# Altium PCB uZed_breakout.PcbDoc (part 3 of 5) (continued)
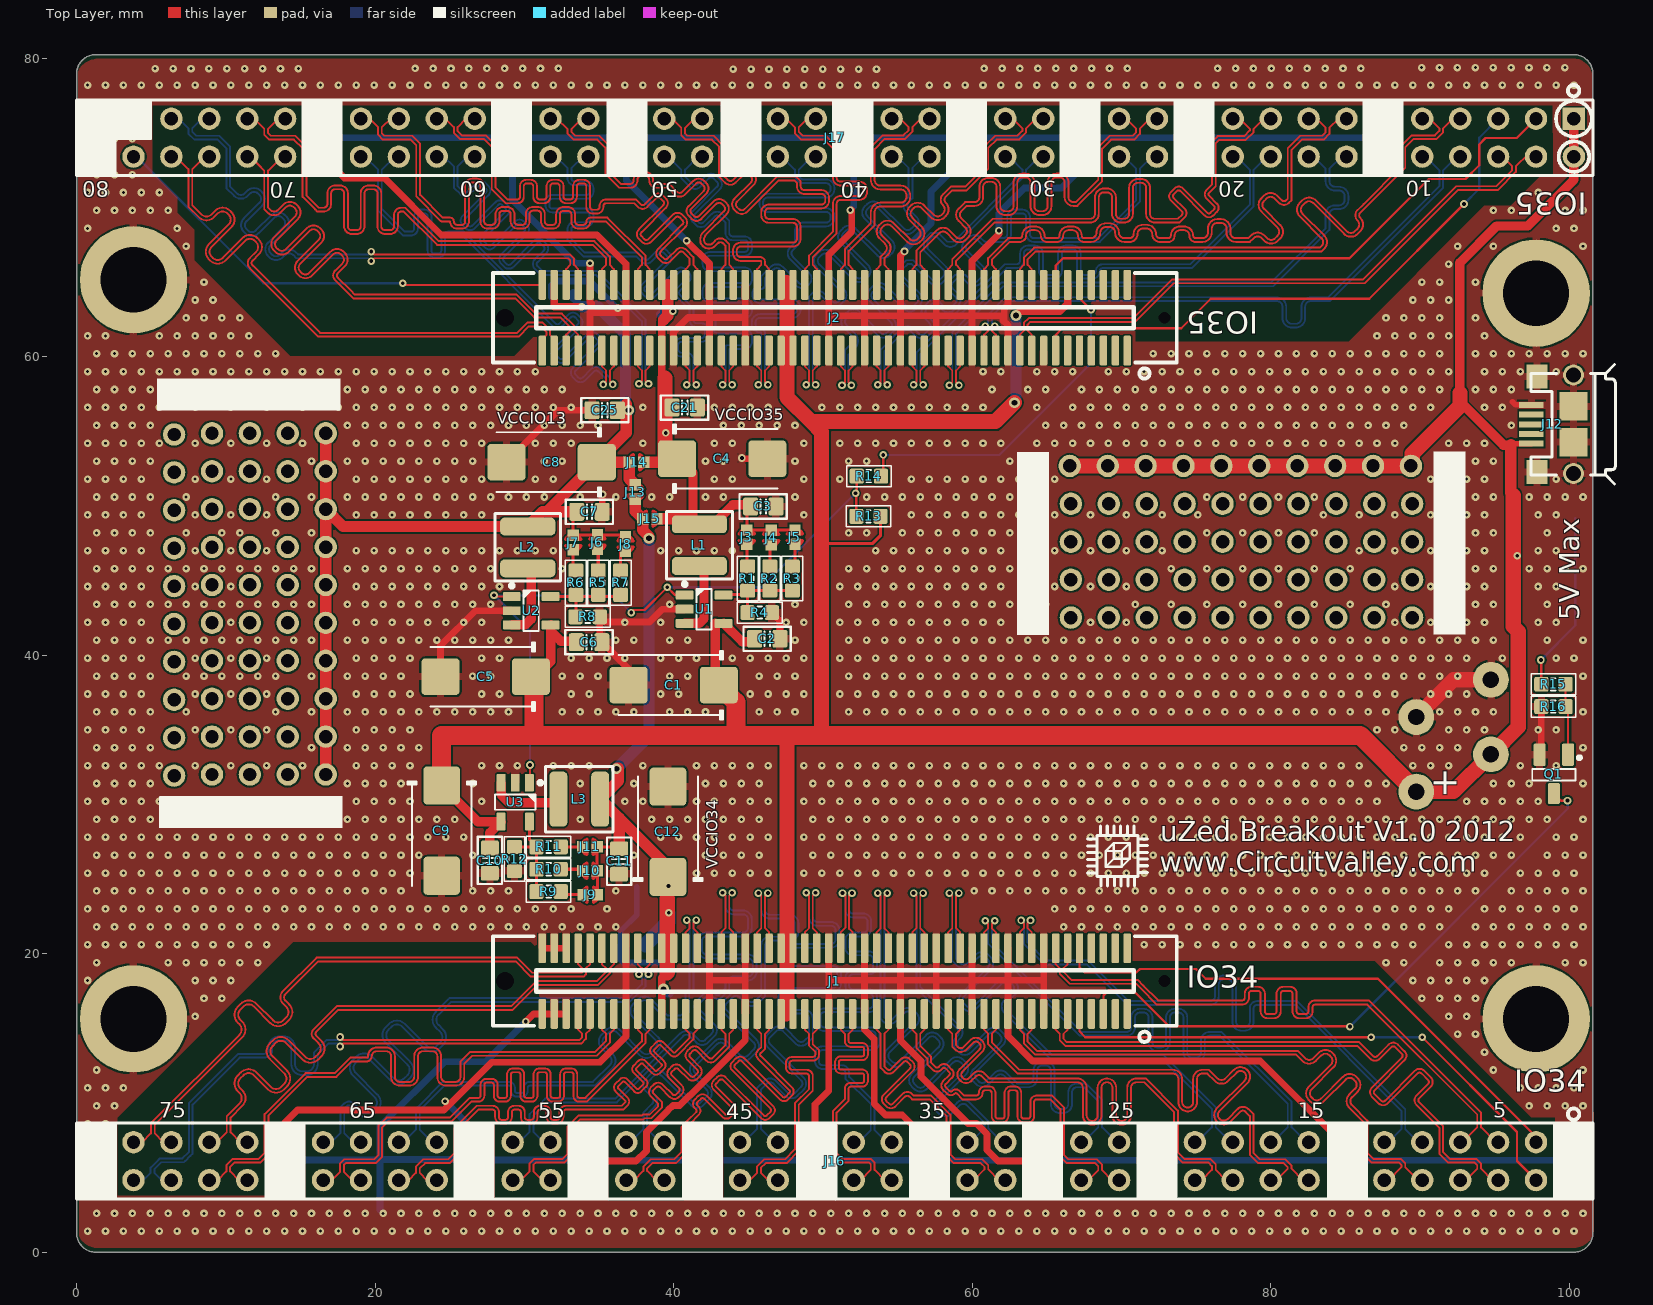
[diagram p0: Top Layer view]
## Nets (pads, with @x,y where several pads share a name; then routed paths per layer and width w, separated by ;. In a path a pad name is that pad's centre, name@x,y a point inside that pad or via, vN(x,y) a via of type N, cw(c..) or ccw(c..) an arc to the next point about the centre after c; other vN are vias at no path point) (continued)
L11_T1_13_N: J1.89 J16.74 | length 41.6
  Top Layer w0.127: J16.74@8.89,4.826 9.449,4.826 10.033,5.41 10.033,5.82 10.436,6.223 10.461,6.248 12.192,6.248 12.598,6.655 12.598,9.249 15.338,11.989 17.297,11.989 18.136,12.827 18.339,13.03 19.426,13.03 ccw(c19.426,13.124) 19.52,13.124 cw(c20.112,13.124) 20.112,13.716 20.731,13.716 cw(c20.731,13.124) 21.323,13.124 21.323,11.742 ccw(c21.661,11.742) 21.661,11.405 22.281,11.405 ccw(c22.281,11.742) 22.619,11.742 22.619,13.124 cw(c23.211,13.124) 23.211,13.716 23.83,13.716 cw(c23.83,13.124) 24.422,13.124 24.422,11.742 ccw(c24.76,11.742) 24.76,11.405 25.38,11.405 ccw(c25.38,11.742) 25.717,11.742 25.717,12.742 26.387,13.411 34.736,13.411 35.473,14.148 35.473,14.624 35.2,14.897 J1.89@35.2,15.961
L11_T1_13_P: J1.87 J16.72 | length 41.5
  Top Layer w0.127: J16.72@11.43,4.826 10.871,4.826 10.287,5.41 10.287,5.715 10.566,5.994 12.297,5.994 12.372,6.069 12.852,6.55 12.852,9.144 15.443,11.735 17.403,11.735 18.444,12.776 19.426,12.776 ccw(c19.426,13.124) 19.774,13.124 cw(c20.112,13.124) 20.112,13.462 20.731,13.462 cw(c20.731,13.124) 21.069,13.124 21.069,11.742 ccw(c21.661,11.742) 21.661,11.151 22.281,11.151 ccw(c22.281,11.742) 22.873,11.742 22.873,13.124 cw(c23.211,13.124) 23.211,13.462 23.83,13.462 cw(c23.83,13.124) 24.168,13.124 24.168,11.742 ccw(c24.76,11.742) 24.76,11.151 25.38,11.151 ccw(c25.38,11.742) 25.971,11.742 25.971,12.636 26.492,13.157 34.842,13.157 35.727,14.043 35.727,14.624 36,14.897 J1.87@36,15.961
L11_T1_34_N: J1.44 J16.33 | length 42
  Top Layer w0.127: J1.44@53.6,20.361 53.6,21.425 53.873,21.698 53.873,23.863 v2(53.683,24.054)
  Bottom Layer w0.127: v2(53.683,24.054) 53.873,23.863 53.873,15.621 54.045,15.449 ccw(c54.46,15.864) 54.876,15.449 55.441,16.015 cw(c55.682,15.774) 55.922,16.015 56.088,15.849 cw(c55.847,15.609) 56.187,15.609 cw(c55.847,15.609) 56.088,15.368 54.306,13.586 ccw(c54.726,13.166) 54.306,12.746 54.471,12.581 ccw(c54.891,13.001) 55.312,12.581 57.093,14.362 cw(c57.334,14.122) 57.575,14.362 57.74,14.197 cw(c57.499,13.956) 57.84,13.956 cw(c57.499,13.956) 57.74,13.716 55.958,11.934 ccw(c56.379,11.514) 55.958,11.093 56.124,10.928 ccw(c56.544,11.348) 56.964,10.928 58.746,12.71 cw(c58.986,12.469) 59.227,12.71 59.392,12.545 cw(c59.152,12.304) 59.492,12.304 cw(c59.152,12.304) 59.392,12.063 57.611,10.282 ccw(c58.031,9.861) 57.611,9.441 57.776,9.276 ccw(c58.196,9.696) 58.616,9.276 59.177,9.836 cw(c59.418,9.596) 59.658,9.836 60.833,8.661 60.833,8.306 59.893,7.366 J16.33@59.69,7.366
L11_T1_34_P: J1.42 J16.31 | length 42
  Top Layer w0.127: v2(54.318,24.054) 54.127,23.863 54.127,21.698 54.4,21.425 J1.42@54.4,20.361
  Bottom Layer w0.127: v2(54.318,24.054) 54.127,23.864 54.127,15.726 54.225,15.629 ccw(c54.46,15.864) 54.696,15.629 55.261,16.194 cw(c55.682,15.774) 56.102,16.194 56.267,16.029 cw(c55.847,15.609) 56.441,15.609 cw(c55.847,15.609) 56.267,15.188 54.486,13.407 ccw(c54.726,13.166) 54.486,12.925 54.651,12.76 ccw(c54.891,13.001) 55.132,12.76 56.914,14.542 cw(c57.334,14.122) 57.754,14.542 57.92,14.377 cw(c57.499,13.956) 58.094,13.956 cw(c57.499,13.956) 57.92,13.536 56.138,11.754 ccw(c56.379,11.514) 56.138,11.273 56.303,11.108 ccw(c56.544,11.348) 56.784,11.108 58.566,12.89 cw(c58.986,12.469) 59.407,12.89 59.572,12.724 cw(c59.152,12.304) 59.746,12.304 cw(c59.152,12.304) 59.572,11.884 57.79,10.102 ccw(c58.031,9.861) 57.79,9.621 57.956,9.455 ccw(c58.196,9.696) 58.437,9.455 58.997,10.016 cw(c59.418,9.596) 59.838,10.016 61.087,8.767 61.087,8.306 62.027,7.366 J16.31@62.23,7.366
L11_T1_35_N: J2.50 J17.37 | length 18.5
  Top Layer w0.127: J2.50@51.2,64.811 51.2,65.875 51.473,66.148 51.473,67.187 53.213,68.927 53.213,69.679 cw(c53.854,69.679) 53.854,70.32 55.213,70.32 ccw(c55.213,70.707) 55.601,70.707 55.601,70.822 ccw(c55.213,70.822) 55.213,71.209 53.854,71.209 cw(c53.854,71.85) 53.213,71.85 53.213,74.019 54.022,74.828 55.397,74.828 55.753,75.184 55.753,75.387 55.194,75.946 J17.37@54.61,75.946
L11_T1_35_P: J2.48 J17.35 | length 18.5
  Top Layer w0.127: J2.48@52,64.811 52,65.875 51.727,66.148 51.727,67.081 53.467,68.821 53.467,69.679 cw(c53.854,69.679) 53.854,70.066 55.213,70.066 ccw(c55.213,70.707) 55.855,70.707 55.855,70.822 ccw(c55.213,70.822) 55.213,71.463 53.854,71.463 cw(c53.854,71.85) 53.467,71.85 53.467,73.914 54.127,74.574 55.503,74.574 56.007,75.079 56.007,75.387 56.566,75.946 J17.35@57.15,75.946
L12_T1_13_N: J1.90 J16.73 | length 41.9
  Top Layer w0.127: J16.73@8.89,7.366 9.398,7.366 10.058,8.026 10.058,9.119 10.915,9.976 ccw(c10.574,10.317) 11.057,10.317 ccw(c10.574,10.317) 10.915,10.658 10.79,10.784 cw(c11.311,11.305) 10.79,11.826 11.005,12.041 cw(c11.526,11.52) 12.047,12.041 13.018,11.07 ccw(c13.359,11.411) 13.701,11.07 13.916,11.285 ccw(c13.575,11.627) 14.058,11.627 ccw(c13.575,11.627) 13.916,11.968 12.945,12.939 cw(c13.466,13.46) 12.945,13.981 13.161,14.196 cw(c13.681,13.676) 14.202,14.196 15.316,13.083 ccw(c15.657,13.424) 15.998,13.083 16.214,13.298 ccw(c15.873,13.64) 16.355,13.64 ccw(c15.873,13.64) 16.214,13.981 15.875,14.32 cw(c16.183,14.627) 15.875,14.935 17.426,16.486 29.107,16.486 30.781,18.161 34.838,18.161 35.473,18.796 35.473,19.025 35.2,19.298 J1.90@35.2,20.361
L12_T1_13_P: J1.88 J16.71 | length 41.9
  Top Layer w0.127: J16.71@11.43,7.366 10.973,7.366 10.312,8.026 10.312,9.013 11.095,9.796 ccw(c10.574,10.317) 11.311,10.317 ccw(c10.574,10.317) 11.095,10.838 10.969,10.963 cw(c11.311,11.305) 10.969,11.646 11.185,11.862 cw(c11.526,11.52) 11.867,11.862 12.839,10.89 ccw(c13.359,11.411) 13.88,10.89 14.096,11.106 ccw(c13.575,11.627) 14.312,11.627 ccw(c13.575,11.627) 14.096,12.148 13.125,13.119 cw(c13.466,13.46) 13.125,13.801 13.34,14.017 cw(c13.681,13.676) 14.023,14.017 15.136,12.903 ccw(c15.657,13.424) 16.178,12.903 16.393,13.119 ccw(c15.873,13.64) 16.609,13.64 ccw(c15.873,13.64) 16.393,14.16 16.055,14.499 cw(c16.183,14.627) 16.055,14.756 17.531,16.232 29.212,16.232 29.286,16.307 30.886,17.907 34.943,17.907 35.727,18.691 35.727,19.025 36,19.298 J1.88@36,20.361
L12_T2_34_N: J1.49 J16.40 | length 20.1
  Top Layer w0.127: J1.49@51.2,15.961 51.2,14.897 51.473,14.624 51.473,14.148 ccw(c51.867,14.148) 51.867,13.754 52.629,13.754 cw(c52.629,13.614) 52.769,13.614 52.769,13.259 cw(c52.629,13.259) 52.629,13.119 51.213,13.119 ccw(c51.213,12.725) 50.819,12.725 50.819,12.37 ccw(c51.213,12.37) 51.213,11.976 52.629,11.976 cw(c52.629,11.836) 52.769,11.836 52.769,11.481 cw(c52.629,11.481) 52.629,11.341 51.867,11.341 ccw(c51.867,10.947) 51.473,10.947 51.473,10.249 50.673,9.449 50.673,6.524 51.203,5.994 53.111,5.994 53.213,5.893 53.213,5.512 52.527,4.826 J16.40@52.07,4.826
L12_T2_34_P: J1.47 J16.38 | length 20.1
  Top Layer w0.127: J1.47@52,15.961 52,14.897 51.727,14.624 51.727,14.148 ccw(c51.867,14.148) 51.867,14.008 52.629,14.008 cw(c52.629,13.614) 53.023,13.614 53.023,13.259 cw(c52.629,13.259) 52.629,12.865 51.213,12.865 ccw(c51.213,12.725) 51.073,12.725 51.073,12.37 ccw(c51.213,12.37) 51.213,12.23 52.629,12.23 cw(c52.629,11.836) 53.023,11.836 53.023,11.481 cw(c52.629,11.481) 52.629,11.087 51.867,11.087 ccw(c51.867,10.947) 51.727,10.947 51.727,10.144 50.927,9.344 50.927,6.629 51.308,6.248 53.217,6.248 53.467,5.998 53.467,5.512 54.153,4.826 J16.38@54.61,4.826
L12_T2_35_N: J2.55 J17.38 | length 40.9
  Top Layer w0.127: J2.55@48.8,60.411 48.8,59.347 49.073,59.074 49.073,58.306 v2(48.883,58.115)
  Bottom Layer w0.127: v2(48.883,58.115) 49.073,58.306 49.073,64.034 49.271,64.231 cw(c49.684,63.818) 50.097,64.231 50.6,63.728 ccw(c50.833,63.962) 51.067,63.728 51.228,63.89 ccw(c50.995,64.123) 51.325,64.123 ccw(c50.995,64.123) 51.228,64.357 49.576,66.009 cw(c49.989,66.422) 49.576,66.835 49.738,66.997 cw(c50.151,66.584) 50.564,66.997 52.216,65.345 ccw(c52.45,65.578) 52.683,65.345 52.845,65.506 ccw(c52.611,65.74) 52.941,65.74 ccw(c52.611,65.74) 52.845,65.973 51.192,67.626 cw(c51.605,68.039) 51.192,68.452 51.354,68.613 cw(c51.767,68.2) 52.18,68.613 53.833,66.961 ccw(c54.066,67.195) 54.299,66.961 54.461,67.123 ccw(c54.228,67.356) 54.558,67.356 ccw(c54.228,67.356) 54.461,67.59 52.809,69.242 cw(c53.222,69.655) 52.809,70.068 52.97,70.23 cw(c53.383,69.817) 53.797,70.23 55.449,68.578 ccw(c55.682,68.811) 55.916,68.578 56.078,68.739 ccw(c55.844,68.973) 56.174,68.973 ccw(c55.844,68.973) 56.078,69.206 55.575,69.709 cw(c55.988,70.122) 55.575,70.535 55.753,70.714 55.753,72.644 54.991,73.406 J17.38@54.61,73.406
L12_T2_35_P: J2.53 J17.36 | length 40.9
  Top Layer w0.127: v2(49.518,58.115) 49.327,58.306 49.327,59.074 49.6,59.347 J2.53@49.6,60.411
  Bottom Layer w0.127: v2(49.518,58.115) 49.327,58.306 49.327,63.928 49.45,64.052 cw(c49.684,63.818) 49.917,64.052 50.42,63.549 ccw(c50.833,63.962) 51.246,63.549 51.408,63.71 ccw(c50.995,64.123) 51.579,64.123 ccw(c50.995,64.123) 51.408,64.536 49.755,66.189 cw(c49.989,66.422) 49.755,66.656 49.917,66.817 cw(c50.151,66.584) 50.384,66.817 52.036,65.165 ccw(c52.45,65.578) 52.863,65.165 53.024,65.327 ccw(c52.611,65.74) 53.195,65.74 ccw(c52.611,65.74) 53.024,66.153 51.372,67.805 cw(c51.605,68.039) 51.372,68.272 51.534,68.434 cw(c51.767,68.2) 52.001,68.434 53.653,66.782 ccw(c54.066,67.195) 54.479,66.782 54.641,66.943 ccw(c54.228,67.356) 54.812,67.356 ccw(c54.228,67.356) 54.641,67.769 52.988,69.422 cw(c53.222,69.655) 52.988,69.889 53.15,70.05 cw(c53.383,69.817) 53.617,70.05 55.269,68.398 ccw(c55.682,68.811) 56.096,68.398 56.257,68.56 ccw(c55.844,68.973) 56.428,68.973 ccw(c55.844,68.973) 56.257,69.386 55.754,69.889 cw(c55.988,70.122) 55.754,70.356 56.007,70.608 56.007,72.644 56.769,73.406 J17.36@57.15,73.406
L13_T2_34_N: J1.50 J16.39 | length 41.5
  Top Layer w0.127: J1.50@51.2,20.361 51.2,21.425 51.509,21.734 51.509,23.901 51.357,24.054 v2(51.319,24.054)
  Bottom Layer w0.127: v2(51.319,24.054) 51.509,23.863 51.509,22.936 ccw(c52.017,22.936) 52.017,22.428 52.731,22.428 cw(c52.731,22.174) 52.985,22.174 52.985,21.666 cw(c52.731,21.666) 52.731,21.412 52.017,21.412 ccw(c52.017,20.904) 51.509,20.904 51.509,20.396 ccw(c52.017,20.396) 52.017,19.888 53.111,19.888 cw(c53.111,19.634) 53.365,19.634 53.365,19.126 cw(c53.111,19.126) 53.111,18.872 52.017,18.872 ccw(c52.017,18.364) 51.509,18.364 51.509,17.856 ccw(c52.017,17.856) 52.017,17.348 53.111,17.348 cw(c53.111,17.094) 53.365,17.094 53.365,16.586 cw(c53.111,16.586) 53.111,16.332 50.089,16.332 ccw(c50.089,15.824) 49.581,15.824 49.581,15.316 ccw(c50.089,15.316) 50.089,14.808 53.287,14.808 cw(c53.287,14.554) 53.541,14.554 53.541,14.046 cw(c53.287,14.046) 53.287,13.792 49.985,13.792 ccw(c49.985,13.284) 49.477,13.284 49.477,12.776 ccw(c49.985,12.776) 49.985,12.268 51.255,12.268 cw(c51.255,12.014) 51.509,12.014 51.509,11.631 53.213,9.928 53.213,8.179 52.4,7.366 J16.39@52.07,7.366
L13_T2_34_P: J1.48 J16.37 | length 41.4
  Top Layer w0.127: v2(51.954,24.054) 51.916,24.054 51.763,23.901 51.763,21.661 52,21.425 J1.48@52,20.361
  Bottom Layer w0.127: v2(51.954,24.054) 51.763,23.863 51.763,22.936 ccw(c52.017,22.936) 52.017,22.682 52.731,22.682 cw(c52.731,22.174) 53.239,22.174 53.239,21.666 cw(c52.731,21.666) 52.731,21.158 52.017,21.158 ccw(c52.017,20.904) 51.763,20.904 51.763,20.396 ccw(c52.017,20.396) 52.017,20.142 53.111,20.142 cw(c53.111,19.634) 53.619,19.634 53.619,19.126 cw(c53.111,19.126) 53.111,18.618 52.017,18.618 ccw(c52.017,18.364) 51.763,18.364 51.763,17.856 ccw(c52.017,17.856) 52.017,17.602 53.111,17.602 cw(c53.111,17.094) 53.619,17.094 53.619,16.586 cw(c53.111,16.586) 53.111,16.078 50.089,16.078 ccw(c50.089,15.824) 49.835,15.824 49.835,15.316 ccw(c50.089,15.316) 50.089,15.062 53.287,15.062 cw(c53.287,14.554) 53.795,14.554 53.795,14.046 cw(c53.287,14.046) 53.287,13.538 49.985,13.538 ccw(c49.985,13.284) 49.731,13.284 49.731,12.776 ccw(c49.985,12.776) 49.985,12.522 51.255,12.522 cw(c51.255,12.014) 51.763,12.014 51.763,11.737 53.467,10.033 53.467,8.179 54.28,7.366 J16.37@54.61,7.366
L13_T2_35_N: J2.56 J17.43 | length 18.1
  Top Layer w0.127: J17.43@46.99,75.946 47.549,75.946 48.133,75.362 48.133,74.977 48.561,74.549 50.089,74.549 50.673,73.965 50.673,71.989 ccw(c51.186,71.989) 51.186,71.476 52.446,71.476 cw(c52.446,71.217) 52.705,71.217 52.705,71.023 cw(c52.446,71.023) 52.446,70.764 51.186,70.764 ccw(c51.186,70.251) 50.673,70.251 50.673,68.38 49.073,66.78 49.073,66.148 48.8,65.875 J2.56@48.8,64.811
L13_T2_35_P: J2.54 J17.41 | length 18.1
  Top Layer w0.127: J17.41@49.53,75.946 48.971,75.946 48.387,75.362 48.387,75.082 48.666,74.803 50.194,74.803 50.927,74.07 50.927,71.989 ccw(c51.186,71.989) 51.186,71.73 52.446,71.73 cw(c52.446,71.217) 52.959,71.217 52.959,71.023 cw(c52.446,71.023) 52.446,70.51 51.186,70.51 ccw(c51.186,70.251) 50.927,70.251 50.927,68.275 49.327,66.675 49.327,66.148 49.6,65.875 J2.54@49.6,64.811
L14_T2_34_N: J1.55 J16.46 | length 17.6
  Top Layer w0.127: J16.46@44.45,4.826 45.11,4.826 45.593,5.309 45.593,5.744 46.072,6.223 47.473,6.223 48.133,6.883 48.133,9.982 49.073,10.922 49.073,11.788 ccw(c48.898,11.788) 48.898,11.963 47.953,11.963 cw(c47.953,12.393) 47.524,12.393 47.524,12.652 cw(c47.953,12.652) 47.953,13.081 49.323,13.081 ccw(c49.323,13.256) 49.498,13.256 49.498,13.41 49.073,13.835 49.073,14.624 48.8,14.897 J1.55@48.8,15.961
L14_T2_34_P: J1.53 J16.44 | length 17.6
  Top Layer w0.127: J16.44@46.99,4.826 46.33,4.826 45.847,5.309 45.847,5.639 46.177,5.969 47.578,5.969 48.387,6.778 48.387,9.877 49.327,10.817 49.327,11.788 ccw(c48.898,11.788) 48.898,12.217 47.953,12.217 cw(c47.953,12.393) 47.778,12.393 47.778,12.652 cw(c47.953,12.652) 47.953,12.827 49.323,12.827 ccw(c49.323,13.256) 49.752,13.256 49.752,13.515 49.327,13.94 49.327,14.624 49.6,14.897 J1.53@49.6,15.961
L14_T2_35_N: J2.63 J17.44 | length 42.3
  Top Layer w0.127: J2.63@45.6,60.411 45.6,59.347 45.873,59.074 45.873,58.306 v2(45.683,58.115)
  Bottom Layer w0.127: v2(45.683,58.115) 45.873,58.306 45.873,61.557 ccw(c45.795,61.557) 45.795,61.635 cw(c45.795,62.196) 45.234,62.196 45.234,62.293 cw(c45.795,62.293) 45.795,62.854 47.953,62.854 ccw(c47.953,63.161) 48.261,63.161 48.261,63.258 ccw(c47.953,63.258) 47.953,63.565 45.847,63.565 cw(c45.847,64.127) 45.286,64.127 45.286,64.223 cw(c45.847,64.223) 45.847,64.785 ccw(c45.847,64.81) 45.873,64.81 45.873,65.383 46.513,66.023 cw(c46.91,65.626) 47.307,66.023 48.381,64.949 ccw(c48.598,65.167) 48.816,64.949 48.884,65.018 ccw(c48.667,65.235) 48.974,65.235 ccw(c48.667,65.235) 48.884,65.452 47.81,66.526 cw(c48.207,66.923) 47.81,67.32 47.979,67.489 48.133,67.643 48.133,68.425 cw(c48.694,68.425) 48.694,68.986 50.213,68.986 ccw(c50.213,69.294) 50.521,69.294 50.521,69.39 ccw(c50.213,69.39) 50.213,69.698 46.307,69.698 cw(c46.307,70.259) 45.745,70.259 45.745,70.355 cw(c46.307,70.355) 46.307,70.917 50.213,70.917 ccw(c50.213,71.224) 50.521,71.224 50.521,71.321 ccw(c50.213,71.321) 50.213,71.628 48.694,71.628 cw(c48.694,72.189) 48.133,72.189 48.133,72.542 47.269,73.406 J17.44@46.99,73.406
L14_T2_35_P: J2.61 J17.42 | length 42.3
  Top Layer w0.127: v2(46.318,58.115) 46.127,58.306 46.127,59.074 46.4,59.347 J2.61@46.4,60.411
  Bottom Layer w0.127: v2(46.318,58.115) 46.127,58.306 46.127,61.557 ccw(c45.795,61.557) 45.795,61.889 cw(c45.795,62.196) 45.488,62.196 45.488,62.293 cw(c45.795,62.293) 45.795,62.6 47.953,62.6 ccw(c47.953,63.161) 48.515,63.161 48.515,63.258 ccw(c47.953,63.258) 47.953,63.819 45.847,63.819 cw(c45.847,64.127) 45.54,64.127 45.54,64.223 cw(c45.847,64.223) 45.847,64.531 ccw(c45.847,64.81) 46.127,64.81 46.127,65.278 46.693,65.844 cw(c46.91,65.626) 47.127,65.844 48.202,64.77 ccw(c48.598,65.167) 48.995,64.77 49.064,64.838 ccw(c48.667,65.235) 49.228,65.235 ccw(c48.667,65.235) 49.064,65.632 47.99,66.706 cw(c48.207,66.923) 47.99,67.141 48.158,67.309 48.387,67.538 48.387,68.425 cw(c48.694,68.425) 48.694,68.732 50.213,68.732 ccw(c50.213,69.294) 50.775,69.294 50.775,69.39 ccw(c50.213,69.39) 50.213,69.952 46.307,69.952 cw(c46.307,70.259) 45.999,70.259 45.999,70.355 cw(c46.307,70.355) 46.307,70.663 50.213,70.663 ccw(c50.213,71.224) 50.775,71.224 50.775,71.321 ccw(c50.213,71.321) 50.213,71.882 48.694,71.882 cw(c48.694,72.189) 48.387,72.189 48.387,72.542 49.251,73.406 J17.42@49.53,73.406
L15_T2_13_N: J1.93 J16.78 | length 41.6
  Top Layer w0.127: v2(17.653,14.414) 17.843,14.224 33.706,14.224 33.873,14.391 33.873,14.624 33.6,14.897 J1.93@33.6,15.961
  Bottom Layer w0.127: J16.78@3.81,4.826 4.47,4.826 4.953,5.309 4.953,5.664 5.488,6.199 5.563,6.274 7.087,6.274 7.518,6.706 7.518,9.986 10.817,13.284 12.573,13.284 ccw(c12.573,13.564) 12.852,13.564 12.852,13.716 cw(c13.589,13.716) 13.589,14.453 13.894,14.453 cw(c13.894,13.716) 14.63,13.716 14.63,12.598 ccw(c15.113,12.598) 15.113,12.116 15.418,12.116 ccw(c15.418,12.598) 15.9,12.598 15.9,13.364 16.76,14.224 17.602,14.224 17.653,14.275 v2(17.653,14.414)
L15_T2_13_P: J1.91 J16.76 | length 41.6
  Top Layer w0.127: v2(17.653,13.779) 17.843,13.97 33.811,13.97 34.127,14.286 34.127,14.624 34.4,14.897 J1.91@34.4,15.961
  Bottom Layer w0.127: J16.76@6.35,4.826 5.69,4.826 5.207,5.309 5.207,5.559 5.668,6.02 7.192,6.02 7.266,6.094 7.62,6.448 7.772,6.6 7.772,9.881 10.922,13.03 12.573,13.03 ccw(c12.573,13.564) 13.106,13.564 13.106,13.716 cw(c13.589,13.716) 13.589,14.199 13.894,14.199 cw(c13.894,13.716) 14.376,13.716 14.376,12.598 ccw(c15.113,12.598) 15.113,11.862 15.418,11.862 ccw(c15.418,12.598) 16.154,12.598 16.154,13.259 16.866,13.97 17.602,13.97 17.653,13.919 v2(17.653,13.779)
L15_T2_34_N: J1.56 J16.45 | length 42.4
  Top Layer w0.127: J1.56@48.8,20.361 48.8,21.425 49.073,21.698 49.073,23.889 v2(48.883,24.079)
  Bottom Layer w0.127: J16.45@44.45,7.366 44.679,7.366 45.593,8.28 45.593,10.998 46.059,11.464 cw(c46.461,11.062) 46.863,11.464 47.675,10.652 ccw(c47.898,10.875) 48.121,10.652 48.537,11.069 ccw(c48.315,11.292) 48.63,11.292 ccw(c48.315,11.292) 48.537,11.514 46.289,13.763 cw(c46.691,14.165) 46.289,14.568 46.705,14.984 cw(c47.108,14.582) 47.51,14.984 48.322,14.172 ccw(c48.544,14.395) 48.767,14.172 49.073,14.478 49.073,15.662 ccw(c48.758,15.662) 48.758,15.977 47.61,15.977 cw(c47.61,16.546) 47.041,16.546 47.041,17.135 cw(c47.61,17.135) 47.61,17.704 50.65,17.704 ccw(c50.65,18.019) 50.965,18.019 50.965,18.608 ccw(c50.65,18.608) 50.65,18.923 48.058,18.923 cw(c48.058,19.492) 47.489,19.492 47.489,20.081 cw(c48.058,20.081) 48.058,20.65 50.546,20.65 ccw(c50.546,20.965) 50.861,20.965 50.861,21.554 ccw(c50.546,21.554) 50.546,21.869 49.642,21.869 cw(c49.642,22.438) 49.073,22.438 49.073,23.889 v2(48.883,24.079)
L15_T2_34_P: J1.54 J16.43 | length 42.4
  Top Layer w0.127: v2(49.518,24.079) 49.327,23.889 49.327,21.698 49.6,21.425 J1.54@49.6,20.361
  Bottom Layer w0.127: J16.43@46.99,7.366 46.761,7.366 45.847,8.28 45.847,10.893 46.238,11.284 cw(c46.461,11.062) 46.684,11.284 47.496,10.473 ccw(c47.898,10.875) 48.3,10.473 48.717,10.889 ccw(c48.315,11.292) 48.884,11.292 ccw(c48.315,11.292) 48.717,11.694 46.468,13.942 cw(c46.691,14.165) 46.468,14.388 46.885,14.805 cw(c47.108,14.582) 47.33,14.805 48.142,13.993 ccw(c48.544,14.395) 48.947,13.993 49.327,14.373 49.327,15.662 ccw(c48.758,15.662) 48.758,16.231 47.61,16.231 cw(c47.61,16.546) 47.295,16.546 47.295,17.135 cw(c47.61,17.135) 47.61,17.45 50.65,17.45 ccw(c50.65,18.019) 51.219,18.019 51.219,18.608 ccw(c50.65,18.608) 50.65,19.177 48.058,19.177 cw(c48.058,19.492) 47.743,19.492 47.743,20.081 cw(c48.058,20.081) 48.058,20.396 50.546,20.396 ccw(c50.546,20.965) 51.115,20.965 51.115,21.554 ccw(c50.546,21.554) 50.546,22.123 49.642,22.123 cw(c49.642,22.438) 49.327,22.438 49.327,23.889 v2(49.518,24.079)
L15_T2_35_N: J2.64 J17.49 | length 37.6
  Top Layer w0.127: J17.49@39.37,75.946 39.903,75.946 40.513,75.336 40.513,74.85 40.814,74.549 42.57,74.549 43.053,74.066 43.053,72.056 43.437,71.672 ccw(c43.8,72.035) 44.163,71.672 44.688,72.198 cw(c44.872,72.015) 45.055,72.198 45.191,72.062 cw(c45.008,71.878) 45.267,71.878 cw(c45.008,71.878) 45.191,71.695 44.069,70.573 ccw(c44.432,70.21) 44.069,69.847 44.205,69.711 ccw(c44.568,70.073) 44.931,69.711 47.026,71.806 48.108,71.806 48.261,71.653 48.261,71.418 ccw(c48.774,71.418) 48.774,70.905 49.906,70.905 cw(c49.906,70.646) 50.165,70.646 50.165,70.453 cw(c49.906,70.453) 49.906,70.194 46.386,70.194 ccw(c46.386,69.681) 45.873,69.681 45.873,69.488 ccw(c46.386,69.488) 46.386,68.975 48.002,68.975 cw(c48.002,68.716) 48.261,68.716 48.261,67.899 cw(c48.002,67.899) 48.002,67.64 44.494,67.64 ccw(c44.494,67.127) 43.981,67.127 43.981,66.934 ccw(c44.494,66.934) 44.494,66.421 45.79,66.421 cw(c45.79,66.338) 45.873,66.338 45.873,66.148 45.6,65.875 J2.64@45.6,64.811
L15_T2_35_P: J2.62 J17.47 | length 37.7
  Top Layer w0.127: J17.47@41.91,75.946 41.377,75.946 40.767,75.336 40.767,74.955 40.919,74.803 42.676,74.803 43.307,74.172 43.307,72.161 43.617,71.852 ccw(c43.8,72.035) 43.983,71.852 44.509,72.378 cw(c44.872,72.015) 45.234,72.378 45.371,72.241 cw(c45.008,71.878) 45.521,71.878 cw(c45.008,71.878) 45.371,71.516 44.248,70.393 ccw(c44.432,70.21) 44.248,70.027 44.385,69.89 ccw(c44.568,70.073) 44.751,69.89 46.921,72.06 47.266,72.06 48.213,72.06 48.287,71.985 48.515,71.758 48.515,71.418 ccw(c48.774,71.418) 48.774,71.159 49.906,71.159 cw(c49.906,70.646) 50.419,70.646 50.419,70.453 cw(c49.906,70.453) 49.906,69.94 46.386,69.94 ccw(c46.386,69.681) 46.127,69.681 46.127,69.488 ccw(c46.386,69.488) 46.386,69.229 48.002,69.229 cw(c48.002,68.716) 48.515,68.716 48.515,67.899 cw(c48.002,67.899) 48.002,67.386 44.494,67.386 ccw(c44.494,67.127) 44.235,67.127 44.235,66.934 ccw(c44.494,66.934) 44.494,66.675 45.79,66.675 cw(c45.79,66.338) 46.127,66.338 46.127,66.148 46.4,65.875 J2.62@46.4,64.811
L16_T3_34_N: J1.63 J16.52 | length 35.8
  Top Layer w0.127: J16.52@36.83,4.826 37.363,4.826 37.973,5.436 37.973,5.719 38.477,6.223 40.056,6.223 40.513,6.68 40.513,8.381 40.927,8.795 41.501,9.369 ccw(c41.402,9.468) 41.542,9.468 ccw(c41.402,9.468) 41.501,9.567 41.412,9.656 cw(c41.691,9.934) 41.412,10.212 ; 41.412,10.213 41.664,10.464 cw(c41.942,10.186) 42.22,10.464 43.449,9.235 ccw(c43.548,9.334) 43.647,9.235 43.898,9.486 ; 43.898,9.486 ccw(c43.8,9.585) 43.939,9.585 ccw(c43.8,9.585) 43.898,9.684 42.669,10.913 cw(c42.948,11.191) 42.669,11.47 42.921,11.721 cw(c43.199,11.443) 43.478,11.721 46.045,9.154 ccw(c46.144,9.253) 46.243,9.154 46.494,9.405 ccw(c46.395,9.504) 46.535,9.504 ccw(c46.395,9.504) 46.494,9.603 43.927,12.17 cw(c44.205,12.449) 43.927,12.727 44.178,12.978 cw(c44.456,12.7) 44.735,12.978 47.302,10.411 ccw(c47.401,10.51) 47.5,10.411 47.751,10.662 ; J1.63@45.6,15.961 45.6,14.897 45.873,14.624 45.873,13.741 45.65,13.518 ccw(c45.928,13.24) 45.65,12.961 47.751,10.86 cw(c47.652,10.761) 47.792,10.761 cw(c47.652,10.761) 47.751,10.662
L16_T3_34_P: J1.61 J16.50 | length 35.8
  Top Layer w0.127: J16.50@39.37,4.826 38.837,4.826 38.227,5.436 38.227,5.613 38.583,5.969 40.161,5.969 40.767,6.575 40.767,8.276 41.106,8.615 41.681,9.19 ccw(c41.402,9.468) 41.796,9.468 ccw(c41.402,9.468) 41.681,9.746 41.592,9.835 cw(c41.691,9.934) 41.592,10.033 ; 41.592,10.033 41.843,10.284 cw(c41.942,10.186) 42.041,10.284 43.27,9.055 ccw(c43.548,9.334) 43.826,9.055 44.078,9.307 ccw(c43.8,9.585) 44.193,9.585 ccw(c43.8,9.585) 44.078,9.864 42.849,11.093 cw(c42.948,11.191) 42.849,11.29 43.101,11.542 ; 43.101,11.542 cw(c43.199,11.443) 43.298,11.542 45.865,8.974 ccw(c46.144,9.253) 46.422,8.974 46.674,9.226 ccw(c46.395,9.504) 46.789,9.504 ccw(c46.395,9.504) 46.674,9.782 44.106,12.35 cw(c44.205,12.449) 44.106,12.547 44.358,12.799 cw(c44.456,12.7) 44.555,12.799 47.123,10.231 ccw(c47.401,10.51) 47.679,10.231 47.931,10.483 ccw(c47.652,10.761) 48.046,10.761 ccw(c47.652,10.761) 47.931,11.04 45.829,13.141 cw(c45.928,13.24) 45.829,13.339 46.127,13.636 46.127,14.624 46.4,14.897 J1.61@46.4,15.961
L16_T3_35_N: J2.69 J17.50 | length 42.6
  Top Layer w0.127: J2.69@43.2,60.411 43.2,59.347 43.473,59.074 43.473,58.306 v2(43.283,58.115)
  Bottom Layer w0.127: J17.50@39.37,73.406 39.649,73.406 40.513,72.542 40.513,71.958 41.093,71.378 ccw(c41.441,71.725) 41.788,71.378 42.351,71.94 cw(c42.519,71.772) 42.686,71.94 42.907,71.719 cw(c42.739,71.551) 42.977,71.551 cw(c42.739,71.551) 42.907,71.383 41.268,69.743 ccw(c41.615,69.396) 41.268,69.048 41.488,68.827 ccw(c41.836,69.175) 42.184,68.827 42.746,69.39 cw(c42.914,69.222) 43.082,69.39 43.473,68.998 43.473,68.297 ccw(c43.965,68.297) 43.965,67.805 44.76,67.805 cw(c44.76,67.568) 44.997,67.568 44.997,67.255 cw(c44.76,67.255) 44.76,67.018 42.441,67.018 ccw(c42.441,66.526) 41.949,66.526 41.949,66.214 ccw(c42.441,66.214) 42.441,65.722 44.76,65.722 cw(c44.76,65.485) 44.997,65.485 44.997,65.173 cw(c44.76,65.173) 44.76,64.935 42.441,64.935 ccw(c42.441,64.444) 41.949,64.444 41.949,64.131 ccw(c42.441,64.131) 42.441,63.64 44.76,63.64 cw(c44.76,63.402) 44.997,63.402 44.997,63.09 cw(c44.76,63.09) 44.76,62.852 43.056,62.852 ccw(c43.056,62.361) 42.565,62.361 42.565,62.048 ccw(c43.056,62.048) 43.056,61.557 44.76,61.557 cw(c44.76,61.319) 44.997,61.319 44.997,61.007 cw(c44.76,61.007) 44.76,60.77 43.6,60.77 ccw(c43.6,60.642) 43.473,60.642 43.473,58.306 v2(43.283,58.115)
L16_T3_35_P: J2.67 J17.48 | length 42.6
  Top Layer w0.127: v2(43.918,58.115) 43.727,58.306 43.727,59.074 44,59.347 J2.67@44,60.411
  Bottom Layer w0.127: J17.48@41.91,73.406 41.631,73.406 40.767,72.542 40.767,72.063 41.273,71.557 ccw(c41.441,71.725) 41.609,71.557 42.171,72.12 cw(c42.519,71.772) 42.866,72.12 43.087,71.899 cw(c42.739,71.551) 43.231,71.551 cw(c42.739,71.551) 43.087,71.204 41.447,69.564 ccw(c41.615,69.396) 41.447,69.228 41.668,69.007 ccw(c41.836,69.175) 42.004,69.007 42.566,69.569 cw(c42.914,69.222) 43.261,69.569 43.727,69.103 43.727,68.297 ccw(c43.965,68.297) 43.965,68.059 44.76,68.059 cw(c44.76,67.568) 45.251,67.568 45.251,67.255 cw(c44.76,67.255) 44.76,66.764 42.441,66.764 ccw(c42.441,66.526) 42.203,66.526 42.203,66.214 ccw(c42.441,66.214) 42.441,65.977 44.76,65.977 cw(c44.76,65.485) 45.251,65.485 45.251,65.173 cw(c44.76,65.173) 44.76,64.681 42.441,64.681 ccw(c42.441,64.444) 42.203,64.444 42.203,64.131 ccw(c42.441,64.131) 42.441,63.894 44.76,63.894 cw(c44.76,63.402) 45.251,63.402 45.251,63.09 cw(c44.76,63.09) 44.76,62.598 43.056,62.598 ccw(c43.056,62.361) 42.819,62.361 42.819,62.048 ccw(c43.056,62.048) 43.056,61.811 44.76,61.811 cw(c44.76,61.319) 45.251,61.319 45.251,61.007 cw(c44.76,61.007) 44.76,60.515 43.727,60.515 43.727,58.306 v2(43.918,58.115)